# Altium PCB chicken.PcbDoc (continued)
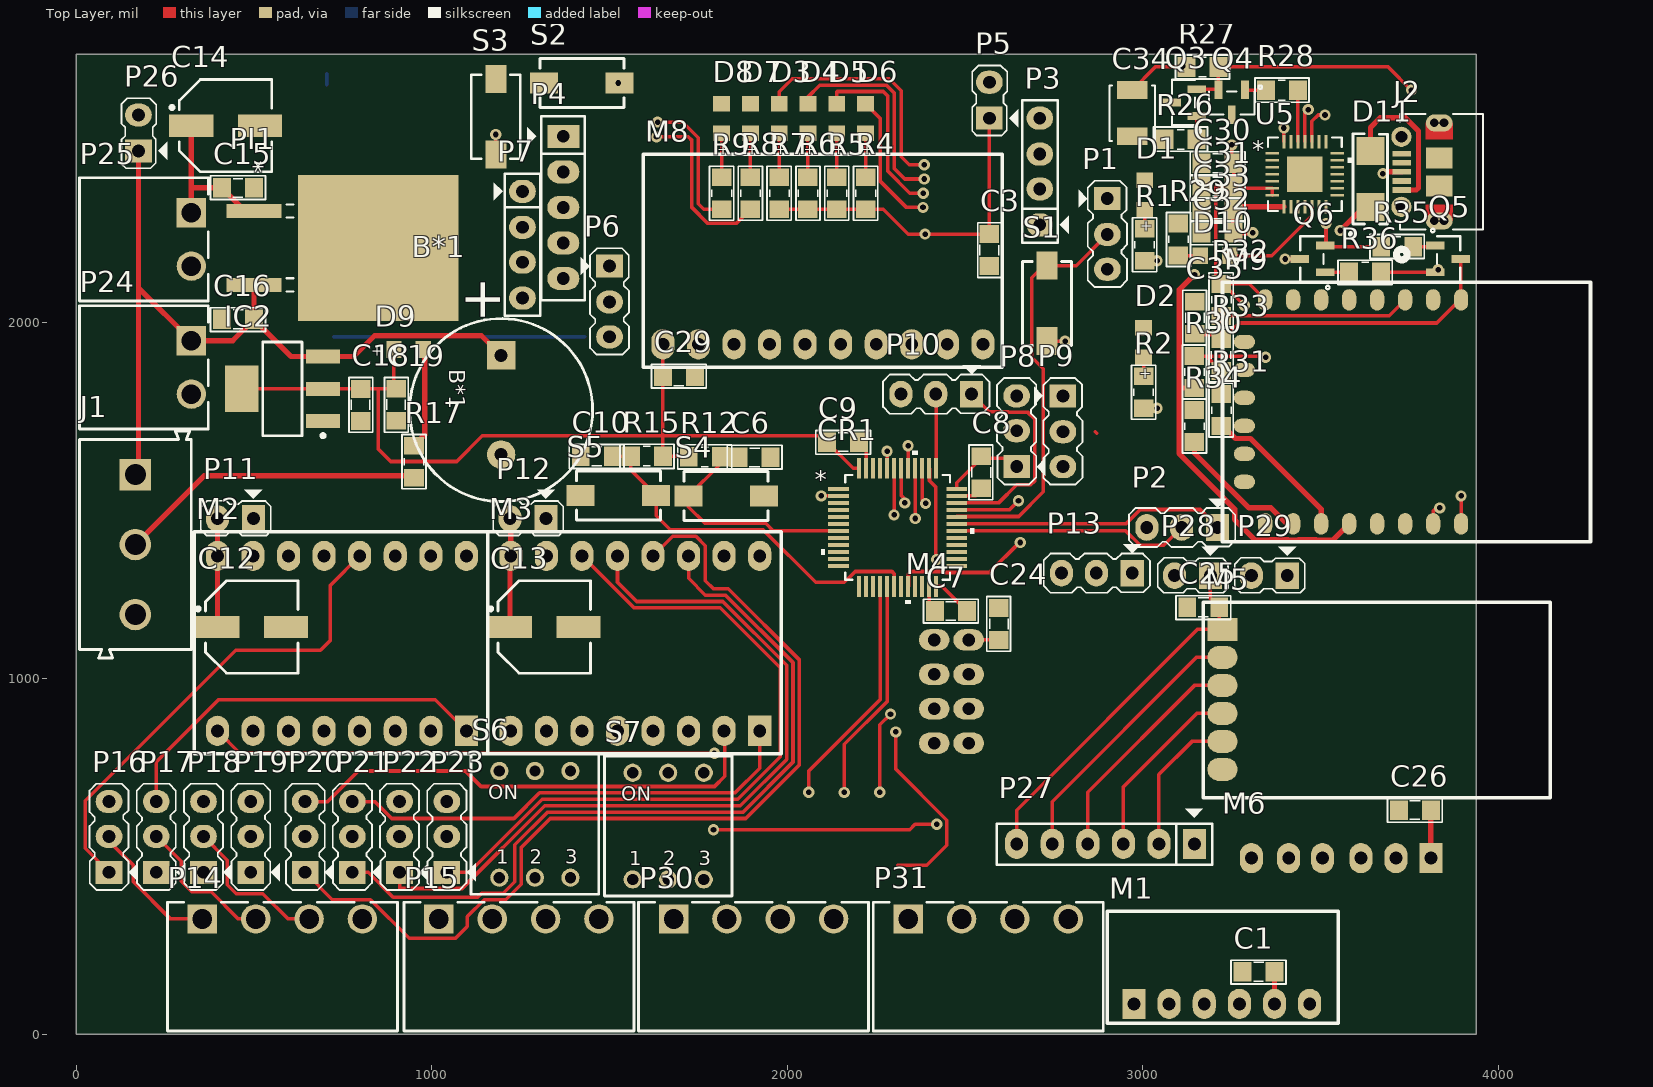
[diagram p0: Top Layer view]
## Footprints (in the part's own frame and the unit in brackets; to place one, negate y for a bottom-side part, rotate by r counter-clockwise, add the part's x,y. Pads: shape width x height; smd on the part's side, far side on the other; paste and mask are expansions set on the pad) (continued)
XC6204/05_SOT-00 [mil]
  rect 60x21 smd: 1(-54.75,37.4) 2(-54.75,0) 3(-54.75,-37.4) 4(54.75,-37.4) 5(54.75,37.4)
  silkscreen extent -38,-62 38,62, body extent -56,-57 54,57, height 51

## Part data
C1 C2 C3 C4 C5 C6 C7 C8 C9 C10 C11 C21 C24 C25 C26 C27 C28 C29 C31 C33 C35: "CAP CER 0.1UF 50V Y5V 0805", Manufacturer="Samsung Electro-Mechanics", Manufacturer Part Number=CL21F104ZBCNNNC, Supplier 1 Part Number=1276-1007-1-ND, Local Supplier=thegioiic, Local Supplier Link=https://thegioiic.com/products/tu-100nf-0-1uf-50v-0805, Supplier 1=Digikey, Supplier 1 Link=https://www.digikey.com/product-detail/en/samsung-electro-mechanics/CL21F104ZBCNNNC/1276-1007-1-ND/3889093
C12 C13 C14: "CAP ALUM 100UF 20% 16V SMD", Manufacturer=Nichicon, Manufacturer Part Number=UWX1C101MCL1GB, Supplier 1 Part Number=493-2105-1-ND, Local Supplier=thegioiic, Local Supplier Link=https://thegioiic.com/products/tu-nhom-smd-100uf-16v-d6-3l5-4, Supplier 1=Digikey, Supplier 1 Link=https://www.digikey.com/product-detail/en/nichicon/UWX1C101MCL1GB/493-2105-1-ND/590080
C15 C16 C17 C18 C19 C20 C22 C23 C30 C32: "CAP CER 10UF 50V X5R 0805", Manufacturer=Yageo, Manufacturer Part Number=CC0805KKX5R9BB106, Supplier 1 Part Number=311-3499-2-ND, Local Supplier=thegioiic, Local Supplier Link=https://thegioiic.com/products/tu-10uf-50v-0805, Supplier 1=Digikey, Supplier 1 Link=https://www.digikey.com/product-detail/en/yageo/CC0805KKX5R9BB106/311-3499-2-ND/7164383
C34: library part Cap-Tan-100uF-16V, Manufacturer=Nichicon, Manufacturer Part Number=UWX1C101MCL1GB, Supplier 1 Part Number=493-2105-1-ND, Local Supplier=icdayroi, Local Supplier Link=https://icdayroi.com/tu-tantalum-100uf-16v-smd6032, Supplier 1=Digikey, Supplier 1 Link=https://www.digikey.com/product-detail/en/nichicon/UWX1C101MCL1GB/493-2105-1-ND/590080
CR1: library part STM32F103C8T6, "No Description Available", Built_By=EMA_UL_Team, Copyright="Copyright (C) 2018 Accelerated Designs. All rights reserved", Manufacturer_Part_Number=STM32F103C8T6, RefDes=RefDes, Type=DEV, Vendor=STMicroelectronics
D1 D5: library part 150080YS75000, "WL-SMCW SMT Mono-color Chip LED Waterclear, size 0805, Yellow, 2V, 140deg", Emitting Color=Yellow, Forward Voltage typ.=2V, Operating Temperature="-40 to +85degC", Chip Technology=AlInGaP, ComponentLink1Description=Manufacturer, ComponentLink1URL=http://www.we-online.de, ComponentLink2Description=Datasheet, ComponentLink2URL=https://www.we-online.com/catalog/datasheet/150080YS75000.pdf, Dominant Wavelength typ.=590nm, Luminous Intensity typ.=120mcd, Mounting Technology=SMT, Packaging="Tape and Reel", Part Number=150080YS75000, Peak Wavelength typ.=595nm, Published Date="December 2019", Publisher="Wurth Elektronik", Size=0805, Viewing Angle=140deg
D2 D3 D4 D7 D8 D9 D10: library part 150080RS75000, "WL-SMCW SMT Mono-color Chip LED Waterclear, size 0805, Red, 2V, 140deg", Emitting Color=Red, Forward Voltage typ.=2V, Operating Temperature="-40 to +85degC", Chip Technology=AlInGaP, ComponentLink1Description=Manufacturer, ComponentLink1URL=http://www.we-online.de, ComponentLink2Description=Datasheet, ComponentLink2URL=https://www.we-online.com/catalog/datasheet/150080RS75000.pdf, Dominant Wavelength typ.=625nm, Luminous Intensity typ.=150mcd, Mounting Technology=SMT, Packaging="Tape and Reel", Part Number=150080RS75000, Peak Wavelength typ.=630nm, Published Date="December 2019", Publisher="Wurth Elektronik", Size=0805, Viewing Angle=140deg
D6: library part 150080VS75000, "WL-SMCW SMT Mono-color Chip LED Waterclear, size 0805, Bright Green, 2V, 140deg", Emitting Color="Bright Green", Forward Voltage typ.=2V, Operating Temperature="-40 to +85degC", Chip Technology=AlInGaP, ComponentLink1Description=Manufacturer, ComponentLink1URL=http://www.we-online.de, ComponentLink2Description=Datasheet, ComponentLink2URL=https://www.we-online.com/catalog/datasheet/150080VS75000.pdf, Dominant Wavelength typ.=570nm, Luminous Intensity typ.=40mcd, Mounting Technology=SMT, Packaging="Tape and Reel", Part Number=150080VS75000, Peak Wavelength typ.=572nm, Published Date="December 2019", Publisher="Wurth Elektronik", Size=0805, Viewing Angle=140deg
D11: library part Diode-SS14, "DIODE SCHOTTKY 40V 1A SMA", Manufacturer="ON Semiconductor", Supplier 1 Part Number=SS14CT-ND, Local Supplier=thegioiic, Local Supplier Link=https://thegioiic.com/products/ss14-sma, Manufacturer Part Number=SS14, Supplier 1=Digikey, Supplier 1 Link=https://www.digikey.com/product-detail/en/on-semiconductor/SS14/SS14CT-ND/965729
IC1 IC2 IC3 IC4: "Available in 1.8V, 2.5V, 2.85V, 3.3V, 5V, and  Adjustable Versions"
J1: "WR-TBL Serie 111 Horizontal Entry Modular, Pressure Clamp, pitch 5mm, 3p", Operating Temperature="-40 to +105degC", Rated Current [UL]=15A, Working Voltage [UL]=250VAC, Application="Pressure Clamp", Compliance="Lead free / RoHS", ComponentLink1Description=Manufacturer, ComponentLink1URL=http://www.we-online.de, ComponentLink2Description=Datasheet, ComponentLink2URL=https://katalog.we-online.de/em/datasheet/691111710003.pdf, Modularity=Yes, Mounting Technology=THT, Packaging=Box, Part Number=691111710003, PCB/Cable/Panel=PCB, Pin Number=3, Pitch=5mm, Published Date="October 2019", Publisher="Wurth Elektronik", Type=Horizontal
J2 U2 U4 U5: "No Description Available", RefDes=RefDes, Type=DEV
  J2: Built_By=EMA_Cory, Copyright="Copyright (C) 2018 Accelerated Designs. All rights reserved", Datasheet=https://www.molex.com/pdm_docs/sd/1050170001_sd.pdf, Manufacturer_Part_Number=105017-0001, SourceLibrary=Molex_2020-05-26, Vendor="Molex Connector Corporation"
  U2: Copyright="Copyright (C) 2016 Accelerated Designs. All rights reserved", Manufacturer_Part_Number=74HC245D,652, SourceLibrary=Nexperia_2018-05-2018, Vendor=Nexperia
  U4: Copyright="Copyright (C) 2016 Accelerated Designs. All rights reserved", Manufacturer_Part_Number=74HC14D,652, SourceLibrary=Nexperia_2018-05-2018, Vendor=Nexperia
  U5: Built_By=EMA_UL_Team, Copyright="Copyright (C) 2018 Accelerated Designs. All rights reserved", Manufacturer_Part_Number=CP2102-GM, SourceLibrary=Silicon_Labs_2015-03-23, Vendor="Silicon Labs"
M5: library part LC12S
P1 P2 P6 P8 P9 P10 P13 P16 P17 P18 P19 P20 P21 P22 P23: "Header, 3-Pin", LatestRevisionDate=17-Jul-2002, LatestRevisionNote="Re-released for DXP Platform.", Publisher="Altium Limited"
P3 P7: "Header, 4-Pin", LatestRevisionDate=17-Jul-2002, LatestRevisionNote="Re-released for DXP Platform.", Publisher="Altium Limited"
P4: "Header, 5-Pin", LatestRevisionDate=17-Jul-2002, LatestRevisionNote="Re-released for DXP Platform.", Publisher="Altium Limited"
P5 P11 P12 P26 P28 P29: "Header, 2-Pin", LatestRevisionDate=17-Jul-2002, LatestRevisionNote="Re-released for DXP Platform.", Publisher="Altium Limited"
P14 P15 P30 P31: "WR-TBL Serie 322 Horizontal PCB Header, Pluggable, pitch 3.81mm, 4p", Operating Temperature="-40 to +105degC", Rated Current [UL]=10A, Working Voltage [UL]=300VAC, Application=Pluggable, Compliance=RoHS, ComponentLink1Description=Manufacturer, ComponentLink1URL=http://www.we-online.de, ComponentLink2Description=Datasheet, ComponentLink2URL=https://katalog.we-online.de/em/datasheet/691322310004.pdf, Modularity=No, Mounting Technology=THT, Packaging=Box, Part Number=691322310004, PCB/Cable/Panel=PCB, Pin Number=4, Pitch=3.81mm, Published Date="October 2019", Publisher="Wurth Elektronik", Type=Horizontal
P24 P25: "WR-TBL Serie 322 Horizontal PCB Header, Pluggable, pitch 3.81mm, 2p", Operating Temperature="-40 to +105degC", Rated Current [UL]=10A, Working Voltage [UL]=300VAC, Application=Pluggable, Compliance=RoHS, ComponentLink1Description=Manufacturer, ComponentLink1URL=http://www.we-online.de, ComponentLink2Description=Datasheet, ComponentLink2URL=https://katalog.we-online.de/em/datasheet/691322310002.pdf, Modularity=No, Mounting Technology=THT, Packaging=Box, Part Number=691322310002, PCB/Cable/Panel=PCB, Pin Number=2, Pitch=3.81mm, Published Date="October 2019", Publisher="Wurth Elektronik", Type=Horizontal
P27: "Header, 6-Pin", LatestRevisionDate=17-Jul-2002, LatestRevisionNote="Re-released for DXP Platform.", Publisher="Altium Limited"
Q3 Q4: "P-Channel 20V 3.7A (Ta) 1.3W (Ta) Surface Mount Micro3™/SOT-23"
R1 R2: "RES 470 OHM JUMPER 0805", Manufacturer=YAG6006CT-ND, Manufacturer Part Number=PE0805FRF7W0R047L, Local Supplier=thegioiic, Local Supplier Link=https://www.thegioiic.com/products/dien-tro-470-kohm-0805-5, Supplier 1=Digikey, Supplier 1 Link=https://www.digikey.com/product-detail/en/yageo/PE0805FRF7W0R047L/YAG6006CT-ND/9696460, Supplier 1 Part Number=YAG6006CT-ND
R3 R10 R11 R12 R15: "RES 10K OHM 1% 1/4W 0805", Manufacturer="Stackpole Electronics Inc", Manufacturer Part Number=RNCP0805FTD10K0, Supplier 1 Part Number=RNCP0805FTD10K0CT-ND, Local Supplier=thegioiic, Local Supplier Link=https://thegioiic.com/products/dien-tro-10k-ohm-0805-5, Supplier 1=Digikey, Supplier 1 Link=https://www.digikey.com/product-detail/en/stackpole-electronics-inc/RNCP0805FTD10K0/RNCP0805FTD10K0CT-ND/2240601
R4 R5 R6 R7: "RES SMD 1.2K OHM 1% 1/8W 0805", Manufacturer="TE Connectivity Passive Product", Manufacturer Part Number=CRG0805F1K2, Supplier 1 Part Number=A126346CT-ND, Local Supplier=thegioiic, Local Supplier Link=https://thegioiic.com/products/dien-tro-1-2k-ohm-0805-5, Supplier 1=Digikey, Supplier 1 Link=https://www.digikey.com/product-detail/en/te-connectivity-passive-product/CRG0805F1K2/A126346CT-ND/7603401
R8 R9 R17 R18 R19 R20 R21 R22 R23 R26 R27 R28 R29: "RES 1K OHM 1% 1/4W 0805", Manufacturer="Stackpole Electronics Inc", Manufacturer Part Number=RNCP0805FTD1K00, Supplier 1 Part Number=RNCP0805FTD1K00CT-ND, Local Supplier=thegioiic, Local Supplier Link=https://thegioiic.com/products/dien-tro-1k-ohm-0805-5, Supplier 1=Digikey, Supplier 1 Link=https://www.digikey.com/product-detail/en/stackpole-electronics-inc/RNCP0805FTD1K00/RNCP0805FTD1K00CT-ND/2240568
R13 R14 R25: "RES 0 OHM JUMPER 0805", Manufacturer="Vishay Dale", Manufacturer Part Number=WSL080500000ZEA9, Supplier 1 Part Number=541-3928-1-ND, Local Supplier=thegioiic, Local Supplier Link=https://thegioiic.com/products/dien-tro-0-ohm-0805-5, Supplier 1=Digikey, Supplier 1 Link=https://www.digikey.com/product-detail/en/vishay-dale/WSL080500000ZEA9/541-3928-1-ND/7423223
R16: "RES 15K OHM 1% 1/4W 0805", Manufacturer="TE Connectivity Passive Product", Manufacturer Part Number=CRGCQ0805F15K, Supplier 1 Part Number=A129763CT-ND, Local Supplier=thegioiic, Local Supplier Link=https://thegioiic.com/products/dien-tro-15k-ohm-0805-1, Supplier 1=Digikey, Supplier 1 Link=https://www.digikey.com/product-detail/en/te-connectivity-passive-product/CRGCQ0805F15K/A129763CT-ND/8577595
R24: "RES SMD 4.7K OHM 5% 1/8W 0805", Manufacturer=Yageo, Manufacturer Part Number=RC0805JR-074K7L, Supplier 1 Part Number=311-4.7KARCT-ND, Local Supplier=thegioiic, Local Supplier Link=https://thegioiic.com/products/dien-tro-4-7k-ohm-0805-5, Supplier 1=Digikey, Supplier 1 Link=https://www.digikey.com/product-detail/en/yageo/RC0805JR-074K7L/311-4.7KARCT-ND/731274
R30 R31 R32 R33 R34 R35 R36: "RES 12 KOHM JUMPER 0805", Manufacturer="Vishay Thin Film", Manufacturer Part Number=PAT0805E3121BST1, Supplier 1 Part Number=PAT0805E3121BST1-ND, Local Supplier=icdayroi, Local Supplier Link=https://icdayroi.com/dien-tro-12k-0805-1-goi-50-con, Supplier 1=Digikey, Supplier 1 Link=https://www.digikey.com/product-detail/en/vishay-thin-film/PAT0805E3121BST1/PAT0805E3121BST1-ND/2281536
S1 S2 S3 S4 S5: "WS-TASV J-Bend SMT Tact Switch 6x3.5mm, height 4.3mm, 260gf", Operating Temperature="-40 to +85degC", Rated Current=50mA, Rated Voltage=12VDC, ComponentLink1Description=Manufacturer, ComponentLink1URL=http://www.we-online.de, ComponentLink2Description=Datasheet, ComponentLink2URL=https://katalog.we-online.com/em/datasheet/434113043826.pdf, Contact Material="Stainless Steel", Contact Plating=Silver, Height=4.3mm, Mounting Technology=SMT, Operation Force=260gf, Packaging="Tape and Reel", Part Number=434113043826, Published Date="September 2019", Publisher="Wurth Elektronik", Terminal Material="Copper Alloy", Terminal Plating=Silver, Washable=No
S6 S7: "WS-DITV Compact THT Dip Switch, Flat Actuator, pitch 2.54mm, 3p", Operating Temperature="-40 to +85degC", Rated Current Non-Switching=100mA, Rated Current Switching=25mA, Rated Voltage Non-Switching=50VDC, Rated Voltage Switching=24VDC, Actuator Type="Flat Type", Circuit=SPST-NO, ComponentLink1Description=Manufacturer, ComponentLink1URL=http://www.we-online.de, ComponentLink2Description=Datasheet, ComponentLink2URL=https://katalog.we-online.com/em/datasheet/418117170903.pdf, Contact Material="Copper Alloy", Contact Plating=Gold, Mounting Technology=THT, Operation Force=800g, Packaging=Tube, Part Number=418117170903, Pitch=2.54mm, Pole Number=3, Published Date="September 2019", Publisher="Wurth Elektronik"
M8: Local Supplier=HShop, Local Supplier Link=https://hshop.vn/products/cam-bien-gy-9250-9dof-imu-mpu9250
U3: Built_By=EMA_UL_Team, Copyright="Copyright (C) 2018 Accelerated Designs. All rights reserved", Manufacturer_Part_Number=XC6204B332MR, RefDes=RefDes, SourceLibrary=Torex_2016-07-05_1, Type=DEV, Vendor="Torex Semiconductor"

## Via types
v1: diameter 31.5, hole 15.75, Top Layer to Bottom Layer, 47 vias

## Nets (pads, with @x,y where several pads share a name; then routed paths per layer and width w, separated by ;. In a path a pad name is that pad's centre, name@x,y a point inside that pad or via, vN(x,y) a via of type N, cw(c..) or ccw(c..) an arc to the next point about the centre after c; other vN are vias at no path point)
3V3_BLU: *1.12 C23.2 IC4.2 IC4.4 S1.1 | length 757
  Top Layer w10: S1.1 v1(2781.3,1948.7)
  Bottom Layer w10: C23.2@724.17,1961.73 1429.92,1961.73
3V3_DWM: C20.2 IC3.2 IC3.4 P5.2
3V3_DWM_M: C3.2 P3.4 P5.1 R4.2 R5.2 R6.2 R7.2 R10.1 R11.1 U1.12 | length 946.3
  Top Layer w10: R7.2 R6.2 R5.2 R4.2 2270,2320 2340,2250 v1(2387.48,2250) C3.2 P5.1
3V3_RF: C22.2 C24.2 M4.2 P28.2 P29.2 U3.5 | length 85
  Top Layer w10: M4.2 C24.2
3V3_WIFI: C17.2 C30.2 C31.2 C34.1 IC1.2 IC1.4 M9.8 R27.2 R30.1 R31.1 R32.1 R33.1 U5.6 U5.7 | length 1365
  Top Layer w10: C34.1 3035,2720 R27.2@3117.5,2720 ; v1(3112.5,2722.5) 3115,2722.5 R27.2@3117.5,2720 ; R30.1 3178,1907 ; R31.1 R33.1 3178,1907 ; v1(3250,2500.87) 3250,2453.82 C30.2 C31.2 C31.2@3255,2379.13 ; v1(3285,2050.14) R32.1@3225.14,2110 ; M9.8 3298.82,2110 R32.1@3225.14,2110 ; v1(3345,1903.66) 3341.66,1907 3178,1907 ; U5.7 U5.6 C31.2@3255,2379.13 ; R27.2@3117.5,2720 R27.2@3120,2717.5 ; R27.2@3117.5,2720 R27.2@3120,2720 ; R27.2@3120,2717.5 R27.2@3120,2720 ; R27.2@3120,2717.5 R27.2 R27.2@3120,2720 ; R32.1@3225.14,2110 R32.1 3205,2125 3205,2385 3249.13,2385 C31.2@3255,2379.13
  Bottom Layer w10: C17.2@705,2670 705,2700.83
5V: B*1.1 C1.2 C16.2 C21.2 C26.2 IC2.3 IC3.3 IC4.3 J1.1 M1.5 M6.1 P13.3 P24.1 P26.1 PI1.3 R24.2 U3.1 | length 2433
  Top Layer w15: J1.1 175,1582.36 175,2098.86 ; P26.1 175,2098.86 ; PI1.3 C16.2 ; B*1.1 1139.61,1964.12 839.12,1964.12 780.55,1905.55 IC2.3 604.45,1905.55 C16.2 ; M1.5 C1.2 ; M6.1 C26.2 ; 175,2098.86 P24.1 440,1950 C16.2
5V_USB: D11.2 J2.1 | length 437.7
  Top Layer w15: D11.2 3640,2550 3667.5,2577.5 3737.5,2577.5 3775,2540 3775,2380 3768.82,2373.82 J2.1
5V_WIFI: C32.2 C33.2 D11.1 IC1.3 P26.2 U5.8 | length 376.2
  Top Layer w15: v1(3308.82,2253.82) C32.2 C33.2 3263.18,2327 U5.8 ; v1(3555,2260) 3621.26,2326.26 D11.1
12V: C14.1 C15.2 P11.1 P12.1 P25.1 PI1.1 | length 462.7
  Top Layer w15: C14.1 323.54,2380 ; P25.1 323.54,2310.31 323.54,2380 ; PI1.1 475,2315 C15.2 323.54,2380
  Bottom Layer w15: P11.1@500,1440 P11.1@510,1450
12V_STEP: C12.1 C13.1 M2.9 M3.9 P11.2 P12.2 | length 611.9
  Top Layer w15: C12.1 M2.9 P11.2 ; C13.1 1220,1342.72 M3.9 1222.28,1447.72 P12.2
BLU_KEY: C2.2 CR1.32 P1.2 R3.1 S1.2 | length 1152
  Top Layer w10: CR1.32 2477.18,1455.71 2650.71,1455.71 2720,1525 2720,1871.42 2687.47,1903.95 2687.47,2127.47 2721.3,2161.3 S1.2 2812.3,2161.3 P1.2
BLU_KEY_HC05: *1.34 P1.1
BLU_KEY_HC06: *1.26 P1.3
BLUE_RX: *1.2 CR1.30 M1.2 P2.2 | length 670.8
  Top Layer w10: CR1.30 2951.5,1415.16 2992.15,1374.5 3058.5,1374.5 P2.2
BLUE_TX: *1.1 CR1.31 M1.3 P2.1 | length 772.3
  Top Layer w10: CR1.31 2951.5,1434.84 2992.15,1475.5 3160.5,1475.5 3210,1426 P2.1
BOOT0: P8.2 R13.2
BOOT1: P9.2 R14.1 | length 5.7
  Top Layer w10: 2866,1694 2870,1690
BTN: C10.2 CR1.18 R15.1 S5.1 | length 1045.8
  Top Layer w10: C10.2 R15.1 1560,1586.3 S5.1 1631.3,1457.53 1670.33,1418.5 1931.5,1418.5 2079.54,1270.46 2160.3,1270.46 2190.85,1301 2294.16,1301 2300.16,1295 CR1.18
BUZZER: CR1.2 R16.1 | length 48.4
  Top Layer w10: v1(2095.6,1513.58) CR1.2
CP2102_DTR: Q6.2 R35.1 U5.28 | length 260.9
  Top Layer w10: U5.28 v1(3396.57,2548.43) ; v1(3515,2280) 3515,2220.29 Q6.2 3514.71,2215 R35.1
CP2102_RTS: Q5.2 R36.2 U5.24 | length 264.8
  Top Layer w10: U5.24 3475.32,2567.17 3493.15,2585 v1(3512.21,2585) ; R36.2 Q5.2 v1(3830.29,2150)
DWM_BLE_WK: C5.2 R11.2 S3.1 U1.32 | length 56.3
  Top Layer w10: S3.1 v1(1180,2530)
DWM_nRST: C4.2 R10.2 S2.1 U1.33
  other v1: 1525,2675
DWM_READY: P7.2
DWM_RX: P7.3
DWM_RX_LED: R9.2 U1.31 | length 390.1
  Top Layer w10: v1(1635,2565) 1705.45,2565 1749.68,2520.76 1749.68,2335.32 1765,2320 R9.2
DWM_SCL: P6.1 U1.25
DWM_SDA: P6.2 U1.23
DWM_SPI_CLK: CR1.26 P4.3 U1.28
DWM_SPI_CSn: CR1.25 P4.2 U1.29
DWM_SPI_MISO: CR1.27 P4.5 U1.26
DWM_SPI_MOSI: CR1.28 P4.4 U1.27
DWM_SWCLK: P3.2 U1.2
DWM_SWDIO: P3.1 U1.3
DWM_TX: P7.1
DWM_TX_LED: R8.2 U1.30 | length 491.6
  Top Layer w10: v1(1632.17,2523.43) 1721.57,2523.43 1731.68,2513.31 1731.68,2324.82 1776.5,2280 1856,2280 R8.2
ENC_1A: P30.2 U4.1
ENC_1B: P30.3 U4.3
ENC_2A: P31.2 U4.5 | length 36.3
  Bottom Layer w10: P31.2@2453.66,330 P31.2@2490,330
ENC_2B: P31.3 U4.9
ESP_ADC: M9.2
ESP_ENB: M9.3 R32.2 | length 536.2
  Top Layer w10: R32.2 3692.52,2020 M9.3
ESP_GPIO0: M9.18 Q6.3 R30.2 | length 1221.4
  Top Layer w15: R30.2 3102,1817 ; v1(3145,2136) 3102,2093 3102,1817 ; v1(3400,2180) Q6.3 ; M9.18 3534.54,1389.58 3486.6,1389.58 3486.17,1390 3437.69,1390 3437.26,1389.58 3407.86,1389.58 3407.43,1390 3358.94,1390 3358.52,1389.58 3315.58,1389.58 3258,1447.16 3258,1477 3102,1633 3102,1795.5 3102,1817
ESP_GPIO2: M9.17 R31.2 | length 427.6
  Top Layer w15: R31.2 3240.05,1710 3240.05,1695.97 3260.85,1675.17 3302.52,1675.17 3501.3,1476.39 M9.17
ESP_GPIO4: M9.19
ESP_GPIO5: M9.20
ESP_GPIO9: M9.11
ESP_GPIO10: M9.12
ESP_GPIO12: M9.6
ESP_GPIO13: M9.7
ESP_GPIO14: M9.5
ESP_GPIO15: M9.16 R34.2 | length 391.7
  Top Layer w15: R34.2 3145,1633.54 3298.54,1480 3328.54,1480 3329.11,1480.58 3359.27,1480.58 3404.77,1435.08 M9.16
ESP_GPIO16: M9.4
ESP_nRST: C35.2 M9.1 Q5.3 R33.2 | length 913.2
  Top Layer w10: R33.2 3226.32,1955 3271.32,2000 3826.71,2000 3893.36,2066.64 Q5.3
  Top Layer w15: C35.2 3205,1970 R33.2
ESP_RX: M9.21 Q3.2 Q4.2 R27.1 | length 754.7
  Top Layer w10: Q3.2 3210.56,2657.5 Q4.2 R27.1 3690,2720 v1(3755,2655) ; M9.21 3816.26,1471.26 3825,1480 v1(3835,1480)
ESP_SPI_CLK: M9.14
ESP_SPI_INT: M9.13
ESP_SPI_MISO: M9.10
ESP_SPI_MOSI: M9.9
ESP_TX: CR1.13 M9.22 U5.25 | length 172.4
  Top Layer w10: U5.25 3455.63,2590.63 v1(3465,2600) ; M9.22 v1(3895,1513.58)
LED: CR1.29 J1.2 R17.1 | length 865.7
  Top Layer w15: J1.2 359.49,1570 945,1570 R17.1
MTR1_A1: M2.13 P16.1 | length 1377.1
  Top Layer w10: P16.1 25,522.28 25,656.06 448.94,1080 686.88,1080 715,1108.12 715,1262.72 M2.13
MTR1_A2: M2.14 P17.1
MTR1_B1: M2.12 P18.1
MTR1_B2: M2.11 P19.1
MTR1_C1: P14.1 P16.2 | length 393.9
  Top Layer w10: P16.2 92.28,542.72 134.5,500.5 135.17,500.5 160,475.67 160,429.11 265.25,323.86 P14.1
MTR1_C2: P14.2 P17.2 | length 409.1
  Top Layer w10: P17.2 295,486.14 295,429.61 324.61,400 379.92,400 456.06,323.86 P14.2
MTR1_C3: P14.3 P18.2 | length 433.6
  Top Layer w10: P18.2 425,489 425,420 450,395 525,395 596.14,323.86 P14.3
MTR1_C4: P14.4 P19.2
MTR1_DIR: M2.1 P17.3 U2.17 | length 1091.8
  Top Layer w10: P17.3 225.14,765.14 400,940 1010.16,940 M2.1
MTR1_ENB: M2.8 U2.14 | length 1423.8
  Top Layer w10: M2.8 460.16,790 470,790 v1(1795,790)
MTR1_PWM: M2.2 P16.3 U2.18
MTR2_A1: M3.13 P20.1 | length 2677.6
  Top Layer w10: P20.1 720.52,378.2 827.51,378.2 936.23,269.48 1066.73,269.48 1100,302.75 1100,330.66 1147.49,378.16 1208.19,378.16 1251.41,421.38 1251.41,524.83 1332.99,606.41 1882.78,606.41 2034,757.63 2034,1052.37 1833.67,1252.7 1792.3,1252.7 1769.55,1275.45 1769.55,1373.85 1742.9,1400.5 1677.78,1400.5 M3.13
MTR2_A2: M3.14 P21.1 | length 2221.2
  Top Layer w10: P21.1 821.04,455 891.04,385 1128.88,385 1140.04,396.16 1200.73,396.16 1233.41,428.83 1233.41,532.28 1325.53,624.41 1875.32,624.41 2016,765.09 2016,1044.91 1826.21,1234.7 1769.55,1234.7 1722.28,1281.97 M3.14
MTR2_B1: M3.12 P22.1 | length 2196.1
  Top Layer w10: P22.1 909.43,409.5 1085.17,409.5 1318.08,642.41 1867.87,642.41 1998,772.54 1998,1037.46 1818.76,1216.7 1576.04,1216.7 1522.28,1270.46 M3.12
MTR2_B2: M3.11 P23.1 | length 2010.5
  Top Layer w10: P23.1 1105.21,455 1310.62,660.41 1860.41,660.41 1980,780 1980,1030 1811.3,1198.7 1568.58,1198.7 M3.11
MTR2_C1: P15.1 P20.2
MTR2_C2: P15.2 P21.2
MTR2_C3: P15.3 P22.2
MTR2_C4: P15.4 P23.2
MTR2_DIR: M3.1 P21.3 U2.15 | length 1329.1
  Top Layer w10: P21.3 840.08,654 887.67,606.41 1231.17,606.41 1303.17,678.41 1852.95,678.41 1922.28,747.74 M3.1
MTR2_ENB: M3.8 U2.13 | length 633.9
  Top Layer w10: v1(1792.3,575) 2344.21,575 2359.21,590 v1(2420,590)
MTR2_PWM: M3.2 P20.3 U2.16 | length 1392.8
  Top Layer w10: P20.3 707.22,654 793.22,740 1095,740 1138.59,696.41 1795.08,696.41 1823.75,725.08 1823.75,851.41 M3.2
  Bottom Layer w10: M3.2@1835,840.16 M3.2@1835,858.97
Net*1_11: *1.11 CR1.14
Net*1_24: *1.24 R2.1 | length 38
  Top Layer w10: R2.1 v1(3040,1760)
Net*1_31: *1.31 R1.1 | length 35
  Top Layer w10: R1.1 v1(3040,2175)
NetB*1_2: B*1.2 Q1.3
NetC25_2: C25.2 M5.1 P27.6 P28.1 | length 1032
  Top Layer w10: P27.6 2645,630 3153.11,1138.11 3206.18,1138.11 3215,1146.93 C25.2 3190,1225 P28.1
NetC27_2: C27.2 M7.1 P29.1
NetCR1_3: CR1.3 U2.3
NetCR1_4: CR1.4 U2.6
NetCR1_5: CR1.5 U2.5
NetCR1_6: CR1.6 U2.7
NetCR1_10: CR1.10 U2.2
NetCR1_11: CR1.11 U2.4
NetCR1_12: CR1.12 R26.2
NetCR1_15: CR1.15 R25.1
NetCR1_16: CR1.16 U4.2 | length 662.2
  Top Layer w10: v1(2060,680) 2060,740 2260.79,940.79 CR1.16
NetCR1_17: CR1.17 U4.4 | length 629.1
  Top Layer w10: v1(2160.3,679.7) 2160.3,814.85 2280.47,935.02 CR1.17
NetCR1_20: CR1.20 R14.2 | length 388.5
  Top Layer w10: CR1.20 2340.71,1260.18 2340.71,1293.38 2348.33,1301 2438.85,1301 2441.62,1298.23 2568.23,1298.23 2652.76,1382.76 v1(2655,1382.76)
NetCR1_33: CR1.33 M4.8 | length 184.7
  Top Layer w10: CR1.33 2624.21,1474.21 v1(2650,1500)
NetCR1_38: CR1.38 M4.4 | length 264.9
  Top Layer w10: CR1.38 2399.77,1589.81 2399.77,1556.62 2417.5,1538.89 2417.5,1337.5 v1(2420,1335)
NetCR1_39: CR1.39 M4.5 | length 102.4
  Top Layer w10: CR1.39 2378.9,1502.5 v1(2388.75,1492.65)
NetCR1_40: CR1.40 M4.7 | length 141.3
  Top Layer w10: CR1.40 2359.21,1450.79 v1(2360,1450)
NetCR1_41: CR1.41 M4.6 | length 63.5
  Top Layer w10: CR1.41 v1(2339.53,1654.53)
NetCR1_42: CR1.42 U4.8 | length 641.5
  Top Layer w10: v1(2305,850) 2305,745.66 2448.75,601.91 2448.75,531.48 2392.27,475 2310,475 ; CR1.42 2319.84,1515.16 2330,1505 v1(2330,1493.9)
NetCR1_43: CR1.43 U4.6 | length 363.3
  Top Layer w10: v1(2260,680) 2260,870 v1(2290,900) ; v1(2300.16,1460.16) CR1.43
NetCR1_44: CR1.44 R13.1 | length 48.5
  Top Layer w10: CR1.44 v1(2280.47,1639.53)
NetCR1_45: CR1.45 M8.3
NetCR1_46: CR1.46 M8.4
NetD1_2: D1.2 R1.2 | length 53.7
  Top Layer w10: R1.2 D1.2
NetD2_2: D2.2 R2.2 | length 53.7
  Top Layer w10: R2.2 D2.2
NetD3_1: D3.1 U1.7 | length 665.9
  Top Layer w10: D3.1 1977,2650 2013.99,2686.99 2286.45,2686.99 2320,2653.44 2320,2467.87 2342.87,2445 v1(2385,2445)
NetD3_2: D3.2 R7.1 | length 123.7
  Top Layer w10: R7.1 D3.2
NetD4_1: D4.1 U1.8 | length 594.1
  Top Layer w10: D4.1 2058,2635.5 2091.49,2668.99 2278.99,2668.99 2300.16,2647.83 2300.16,2434.84 2330,2405 v1(2385,2405)
NetD4_2: D4.2 R6.1 | length 123.7
  Top Layer w10: R6.1 D4.2
NetD5_1: D5.1 U1.9 | length 519.3
  Top Layer w10: D5.1 2139,2650 2139.99,2650.99 2269.48,2650.99 2282.16,2638.31 2282.16,2427.39 2344.54,2365 v1(2382.19,2365)
NetD5_2: D5.2 R5.1 | length 123.7
  Top Layer w10: R5.1 D5.2
NetD6_1: D6.1 U1.10 | length 385.5
  Top Layer w10: D6.1 2260.79,2575.55 2260.79,2399.21 2335,2325 v1(2381.56,2325)
NetD6_2: D6.2 R4.1 | length 123.7
  Top Layer w10: R4.1 D6.2
NetD7_2: D7.2 R8.1 | length 123.7
  Top Layer w10: R8.1 D7.2
NetD8_2: D8.2 R9.1 | length 123.7
  Top Layer w10: R9.1 D8.2
NetD9_1: D9.1 R17.2 | length 283.9
  Top Layer w15: R17.2 980,1685 980,1921.34 D9.1
NetD10_1: D10.1 R29.2 | length 61.5
  Top Layer w10: R29.2 3101.18,2188.82 D10.1
NetD10_2: D10.2 U5.12 | length 303.7
  Top Layer w10: D10.2 3362.38,2188.82 3475.32,2301.76 U5.12
NetM2_5: M2.5 R20.1 S6.4
NetM2_6: M2.6 R19.1 S6.5
NetM2_7: M2.7 R18.1 S6.6
NetM3_5: M3.5 R23.1 S7.4
NetM3_6: M3.6 R22.1 S7.5
NetM3_7: M3.7 R21.1 S7.6
NetM4_3: M4.3
NetQ1_1: Q1.1 R16.2
NetQ2_1: Q2.1 R25.2
NetQ2_3: Q2.3 R24.1 U3.3
NetQ3_1: Q3.1 R26.1 | length 65.7
  Top Layer w10: R26.1 Q3.1
NetQ4_1: Q4.1 R28.2 | length 58.7
  Top Layer w10: Q4.1 3288.06,2655 R28.2
NetQ5_1: Q5.1 R35.2 | length 63.8
  Top Layer w10: R35.2 3820.29,2215 Q5.1
NetQ6_1: Q6.1 R36.1 | length 67.8
  Top Layer w10: Q6.1 R36.1
NetR18_2: R18.2 R19.2 R20.2
NetR21_2: R21.2 R22.2 R23.2
NetR28_1: R28.1 U5.26 | length 145
  Top Layer w10: U5.26 R28.1
NetU1_18: U1.18
NetU1_19: U1.19
NetU1_20: U1.20
NRST: C6.2 CR1.7 R12.1 S4.1 | length 678.8
  Top Layer w10: C6.2 1813.87,1622.27 R12.1 1812.87,1604.57 S4.1 1721.57,1483.43 1768.5,1436.5 1938.96,1436.5 1960.3,1415.16 CR1.7
RF_CS: M5.5 P27.2 | length 412.4
  Top Layer w10: P27.2 3045,730 3138.15,823.15 M5.5
RF_RXD: CR1.21 M5.2 M6.2 M7.3 P27.5 | length 765.7
  Top Layer w10: P27.5 2745,653.97 3150.4,1059.37 M5.2
RF_SET: CR1.19 M5.4 M7.5 P27.3 | length 524.5
  Top Layer w10: P27.3 2945,695 3151.89,901.89 M5.4
RF_TXD: CR1.22 M5.3 M6.3 M7.4 P27.4 | length 648.7
  Top Layer w10: P27.4 2845,680.63 3145,980.63 M5.3
SWCLK: CR1.37 P10.2 | length 209.4
  Top Layer w10: P10.2 2418.27,1799 CR1.37
SWDIO: CR1.34 P10.1 | length 625.4
  Top Layer w10: CR1.34 2593.9,1493.9 2645,1545 2685,1545 2695.5,1555.5 2695.5,1729.5 2675.5,1749.5 2621.15,1749.5 2620.65,1750 2568.27,1750 P10.1
USB_D_N: J2.2 U5.5
USB_D_P: J2.3 U5.4 | length 55.1
  Top Layer w15: v1(3675,2420) 3680,2425 J2.3
VCC_245: C11.2 P13.2 U2.1 U2.20
VDD: C7.2 C8.1 C9.1 C18.2 C19.2 C28.2 C29.2 CR1.9 CR1.24 CR1.36 CR1.48 D9.2 IC2.2 IC2.4 M2.3 M2.4 M3.3 M3.4 M8.1 P8.1 P9.3 P13.1 P30.1 P31.1 R12.2 R15.2 U4.14 | length 2865
  Top Layer w10: IC2.4 IC2.2 799.45,1815 C18.2 850,1814.45 ; D9.2 893.66,1820.23 887.88,1814.45 850,1814.45 ; 1650,1680 R15.2 1721.13,1625 R12.2 ; M8.1 C29.2 1650,1683 ; CR1.48 2185.73,1591 C9.1 2093.73,1683 1650,1683 ; CR1.24 2436,1259 C7.2 ; CR1.36 2476,1551 2545,1620 2621,1620 P8.1 ; 850,1814.45 850,1645 884.5,1610.5 1069.83,1610.5 1142.33,1683 1650,1683
VSS: *1.13 *1.21 *1.22 C1.1 C2.1 C3.1 C4.1 C5.1 C6.1 C7.1 C8.2 C9.2 C10.1 C11.1 C12.2 C13.2 C14.2 C15.1 C16.1 C17.1 C18.1 C19.1 C20.1 C21.1 C22.1 C23.1 C24.1 C25.1 C26.1 C27.1 C28.1 C29.1 C30.1 C31.1 C32.1 C33.1 C34.2 C35.1 CR1.8 CR1.23 CR1.35 CR1.47 D1.1 D2.1 D7.1 D8.1 IC1.1 IC2.1 IC3.1 IC4.1 J1.3 J2.5 M1.4 M2.10 M2.16 M3.10 M3.16 M4.1 M5.6 M6.6 M7.2 M8.2 M9.15 P2.3 P3.3 P4.1 P6.3 P7.4 P8.3 P9.1 P10.3 P18.3 P19.3 P22.3 P23.3 P24.2 P25.2 P27.1 P30.4 P31.4 PI1.2 Q1.2 Q2.2 Q3.3 Q4.3 R3.2 R29.1 R34.1 S2.2 S3.2 S4.2 S5.2 S6.1 S6.2 S6.3 S7.1 S7.2 S7.3 U1.1 U1.11 U1.24 U1.34 U2.10 U2.19 U3.2 U4.7 U5.3 U5.29 | length 233.8
  Top Layer w10: C9.2 2221.42,1645.31 CR1.47 ; CR1.23 2398.58,1206.42 C7.1 ; CR1.35 2528.58,1513.58 C8.2@2545,1530
pads on no net: *1.3 *1.4 *1.5 *1.6 *1.7 *1.8 *1.9 *1.10 *1.14 *1.15 *1.16 *1.17 *1.18 *1.19 *1.20 *1.23 *1.25 *1.27 *1.28 *1.29 *1.30 *1.32 *1.33 CR1.1 J2.4 J2.6 J2.7 J2.10 J2.11 J2.S_1 J2.S_1_H1 J2.S_1_H2 J2.S_2 J2.S_2_H1 J2.S_2_H2 M1.1 M1.6 M2.15 M3.15 M6.4 M6.5 M8.5 M8.6 M8.7 M8.8 M8.9 M8.10 U1.4 U1.5 U1.6 U1.13 U1.14 U1.15 U1.16 U1.17 U1.21 U1.22 U2.8 U2.9 U2.11 U2.12 U3.4 U4.10 U4.11 U4.12 U4.13 U5.1 U5.2 U5.9 U5.10 U5.11 U5.13 U5.14 U5.15 U5.16 U5.17 U5.18 U5.19 U5.20 U5.21 U5.22 U5.23 U5.27

## Text inside footprints (layer, text, board x,y; h text height)
B*1: Top Overlay "+" at 1095,2130 h112.5 r270
CR1: Top Overlay "*" at 2077.5,1533.11 h50; Mechanical 13 "*" at 2170.5,1518.11 h50
D1: Top Overlay "+" at 2993.19,2259.61 h30
D2: Top Overlay "+" at 2990.19,1844.61 h30
D3: Top Overlay "+" at 1965.19,2474.61 h30
D4: Top Overlay "+" at 2046.19,2474.61 h30
D5: Top Overlay "+" at 2127.19,2474.61 h30
D6: Top Overlay "+" at 2208.19,2474.61 h30
D7: Top Overlay "+" at 1884.19,2474.61 h30
D8: Top Overlay "+" at 1803.19,2474.61 h30
D9: Top Overlay "+" at 834.61,1936.81 h30 r270
D10: Top Overlay "+" at 3302.74,2177.01 h30 r90
PI1: Top Overlay "*" at 475,2456.44 h50 r270; Mechanical 13 "*" at 623,2327.5 h50 r270
S6: Top Overlay "3" at 1375.43,479.76 h40; Top Overlay "ON" at 1158.5,660.87 h40; Top Overlay "1" at 1180.94,479.76 h40; Top Overlay "2" at 1275.43,479.76 h40; Mechanical 13 "3" at 1375.43,479.76 h40; Mechanical 13 "1" at 1180.94,479.76 h40; Mechanical 13 "ON" at 1158.5,660.87 h40; Mechanical 13 "2" at 1275.43,479.76 h40
S7: Top Overlay "3" at 1750.43,474.76 h40; Top Overlay "ON" at 1533.5,655.87 h40; Top Overlay "1" at 1555.94,474.76 h40; Top Overlay "2" at 1650.43,474.76 h40; Mechanical 13 "3" at 1750.43,474.76 h40; Mechanical 13 "1" at 1555.94,474.76 h40; Mechanical 13 "ON" at 1533.5,655.87 h40; Mechanical 13 "2" at 1650.43,474.76 h40
U2: Mechanical 13 "*" at 2682,1074 h50 r90; Bottom Overlay "*" at 2644,1137.5 h50 r90
U3: Bottom Overlay "*" at 942.75,2265.6 h50 r180
U4: Mechanical 13 "*" at 2041,653.5 h50 r90; Bottom Overlay "*" at 1994,702.5 h50 r90
U5: Top Overlay "*" at 3307.63,2462.4 h50; Mechanical 13 "*" at 3370.63,2462.4 h50